# Altium PCB DSP_FPGA.PcbDoc (part 3 of 7)
Units mm, origin at the board's own origin, x right, y up, seen from the top; angles counter-clockwise.
Board outline 243.59 x 170.13 mm, 2 copper layers (Top Layer, Bottom Layer); 649 components, 606 nets, 2327 pads, 2753 vias.
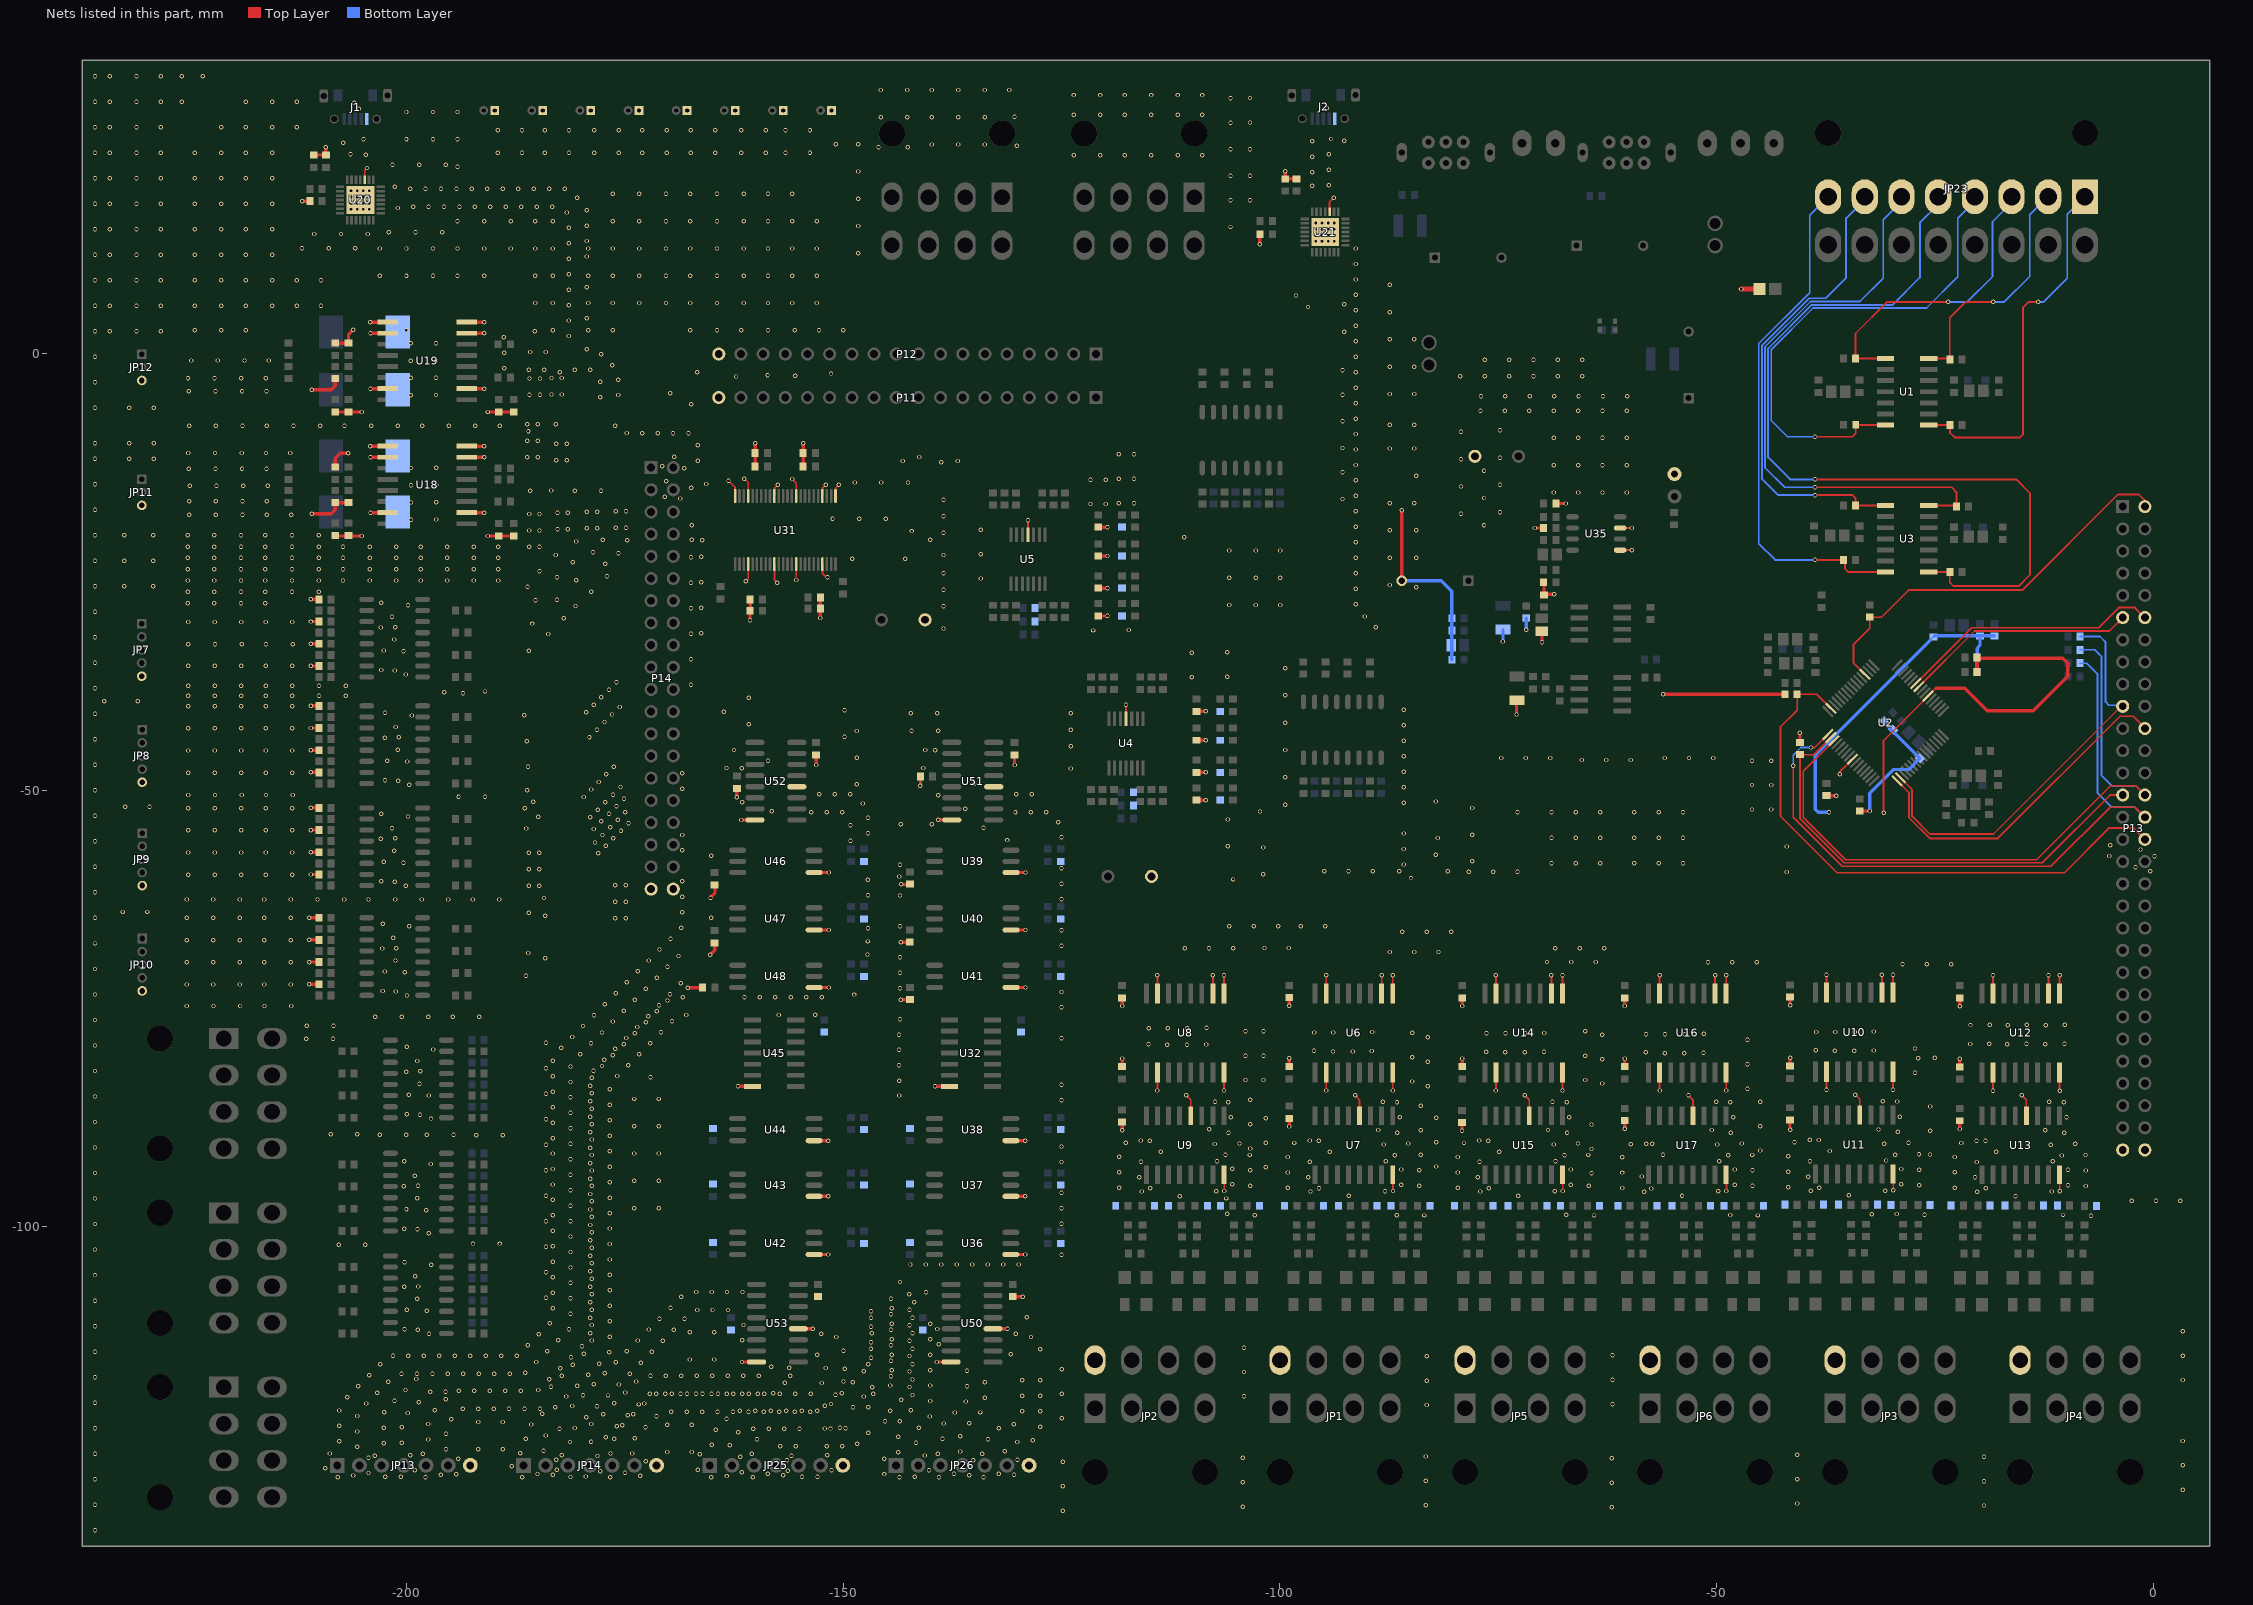
[diagram p3: the nets of this part, all layers, seen from the top]

## Via types
v1: diameter 0.5, hole 0.3, Top Layer to Bottom Layer, tented both sides, 2737 vias
v2: diameter 1.016, hole 0.508, Top Layer to Bottom Layer, tented both sides, 9 vias
v3: diameter 1, hole 0.5, Top Layer to Bottom Layer, tented both sides, 4 vias
v4: diameter 1.2, hole 0.6, Top Layer to Bottom Layer, tented both sides, 2 vias
v5: diameter 1.524, hole 0.762, Top Layer to Bottom Layer, tented both sides, 1 vias

## Nets (pads, with @x,y where several pads share a name; then routed paths per layer and width w, separated by ;. In a path a pad name is that pad's centre, name@x,y a point inside that pad or via, vN(x,y) a via of type N, cw(c..) or ccw(c..) an arc to the next point about the centre after c; other vN are vias at no path point) (continued)
DAC_CLR: P13.30 R5.2 U2.17 | length 80.6
  Top Layer w0.203: v1(-41.227,-47.188) -41.227,-53.099 -35.614,-58.712 -11.722,-58.712 -4.953,-51.943 -2.108,-51.943 P13.30@-0.965,-53.086 ; v1(-39.195,-45.098) -38.756,-45.098 U2.17@-37.271,-43.613
  Bottom Layer w0.203: v1(-41.227,-47.188) -41.227,-45.987 -40.338,-45.098 v1(-39.195,-45.098) ; R5.2@-8.396,-35.446 -7.632,-35.446 -6.375,-36.703 -6.375,-50.343 -4.775,-51.943 -2.108,-51.943 P13.30@-0.965,-53.086
DAC_CS: P13.12 U2.58 | length 30.3
  Top Layer w0.203: U2.58@-27.202,-37.787 -20.797,-31.382 -6.236,-31.382 -3.937,-29.083 -2.108,-29.083 P13.12@-0.965,-30.226
DAC_GPIO: P13.22 U2.33 | length 39.2
  Top Layer w0.203: U2.33@-29.324,-48.916 -27.977,-50.263 -27.977,-53.141 -25.606,-55.512 -17.793,-55.512 -3.81,-41.529 -2.286,-41.529 -0.965,-42.85 P13.22@-0.965,-42.926
DAC_LDAC: P13.27 R10.1 U2.18 | length 53.9
  Top Layer w0.203: U2.18@-36.917,-43.967 -38.876,-45.925 R10.1@-40.465,-45.925 -40.465,-53.226 -35.385,-58.306 -12.713,-58.306 -4.953,-50.546 P13.27@-3.505,-50.546
DAC_OUT_1: JP23.1 R1.2 U1.1 | length 43.2
  Top Layer w0.203: U1.1@-25.73,-8.179 R1.2@-23.306,-8.179 -23.266,-8.218 -23.266,-9.093 -22.758,-9.601 -15.265,-9.601 -14.935,-9.271 -14.935,5.245 -14.262,5.918 v1(-13.157,5.918)
  Bottom Layer w0.203: v1(-13.157,5.918) -12.548,5.918 -9.842,8.623 -9.842,15.949 JP23.1@-7.834,17.957
DAC_OUT_2: JP23.3 R2.2 U1.7 | length 28.4
  Top Layer w0.203: U1.7@-25.73,-0.559 -23.433,-0.559 R2.2@-23.306,-0.686 -23.306,4.088 -21.476,5.918 v1(-18.32,5.918)
  Bottom Layer w0.203: v1(-18.32,5.918) -17.069,5.918 -14.16,8.826 -14.16,15.9 -12.104,17.957 JP23.3@-12.034,17.957
DAC_OUT_3: JP23.5 R3.2 U1.8 | length 34.7
  Top Layer w0.203: U1.8@-30.658,-0.559 R3.2@-34.098,-0.559 -34.098,0.392 -34.098,2.3 -30.48,5.918 v1(-23.482,5.918)
  Bottom Layer w0.203: v1(-23.482,5.918) -21.285,5.918 -18.415,8.788 -18.415,15.088 -16.234,17.268 JP23.5@-16.234,17.957
DAC_OUT_4: JP23.7 R7.2 U1.14 | length 57.8
  Top Layer w0.203: v1(-38.735,-9.525) -34.468,-9.525 -34.073,-9.13 R7.2@-34.073,-8.153 ; R7.2@-33.971,-8.179 U1.14@-30.658,-8.179
  Bottom Layer w0.203: v1(-38.735,-9.525) -41.885,-9.525 -43.752,-7.658 -43.752,0.432 -38.964,5.22 -25.971,5.22 -22.39,8.801 -22.39,15.501 -20.434,17.457 JP23.7@-20.434,17.957
DAC_OUT_5: JP23.9 R13.2 U3.1 | length 97.9
  Top Layer w0.203: v1(-38.735,-14.402) -15.697,-14.402 -14.122,-15.977 -14.122,-25.324 -15.418,-26.619 -22.882,-26.619 -23.306,-26.195 R13.2@-23.306,-25.019 U3.1@-25.73,-25.019
  Bottom Layer w0.203: v1(-38.735,-14.402) -41.593,-14.402 -44.107,-11.887 -44.107,0.579 -39.111,5.575 -29.858,5.575 -26.721,8.712 -26.721,14.986 -24.634,17.073 JP23.9@-24.634,17.957
DAC_OUT_6: JP23.11 R15.2 U3.7 | length 68.8
  Top Layer w0.203: v1(-38.735,-15.316) -23.089,-15.316 -22.544,-15.861 R15.2@-22.544,-17.526 -22.671,-17.399 U3.7@-25.73,-17.399
  Bottom Layer w0.203: v1(-38.735,-15.316) -42.215,-15.316 -44.463,-13.068 -44.463,0.762 -39.256,5.969 -33.591,5.969 -30.912,8.649 -30.912,15.342 -28.834,17.419 JP23.11@-28.834,17.957
DAC_OUT_7: JP23.13 R16.2 U3.8 | length 54.2
  Top Layer w0.203: v1(-38.735,-16.205) -34.434,-16.205 -34.112,-16.527 -34.112,-17.385 R16.2@-34.098,-17.399 U3.8@-30.658,-17.399
  Bottom Layer w0.203: v1(-38.735,-16.205) -42.934,-16.205 -44.818,-14.321 -44.818,0.914 -39.395,6.337 -37.516,6.337 -35.179,8.674 -35.179,15.519 -33.034,17.664 JP23.13@-33.034,17.957
DAC_OUT_8: JP23.15 R17.2 U3.14 | length 59.4
  Top Layer w0.203: v1@-38.786,-23.673 v1(-38.735,-23.622) R17.2@-35.498,-23.622 -35.306,-23.814 -35.306,-24.638 -34.925,-25.019 U3.14@-30.658,-25.019
  Bottom Layer w0.203: v1(-38.735,-23.622) -43.307,-23.622 -45.174,-21.755 -45.174,1.156 -39.343,6.986 -39.343,15.848 JP23.15@-37.234,17.957
DAC_R/W: P13.11 U2.57 | length 26.6
  Top Layer w0.203: U2.57@-26.849,-38.14 -20.471,-31.763 -5.042,-31.763 P13.11@-3.505,-30.226
DAC_RST: P13.28 R8.2 U2.19 | length 77.6
  Top Layer w0.203: U2.19@-36.564,-44.32 -40.084,-47.84 -40.084,-53.099 -35.233,-57.95 -13.373,-57.95 -4.902,-49.479 -2.032,-49.479 P13.28@-0.965,-50.546
  Bottom Layer w0.203: R8.2@-8.396,-33.922 -6.693,-33.922 -5.918,-34.696 -5.918,-36.373 -5.918,-48.336 -4.775,-49.479 -2.032,-49.479 P13.28@-0.965,-50.546
DAC_RSTSEL: P13.19 R11.1 U2.34 | length 48.6
  Top Layer w0.203: U2.34@-28.97,-48.563 -27.621,-49.911 -27.621,-52.989 -25.606,-55.004 -18.301,-55.004 -3.759,-40.462 -3.759,-40.132 P13.19@-3.505,-40.386
  Bottom Layer w0.203: R11.1@-8.396,-32.398 -6.108,-32.398 -5.461,-33.045 -5.461,-35.078 -5.461,-39.878 -5.08,-40.259 -3.632,-40.259 P13.19@-3.505,-40.386
DAC_USB/BTC: P13.32 R12.1 U2.15 | length 66.4
  Top Layer w0.203: U2.15@-36.917,-40.615 -38.531,-39.002 R12.1@-40.781,-39.002 -40.781,-40.842 -42.688,-42.749 -42.688,-52.98 -36.219,-59.449 -10.173,-59.449 -5.037,-54.313 -2.278,-54.313 P13.32@-0.965,-55.626
DAC_Vmon: C21.1 P13.2 U2.4 | length 46.2
  Top Layer w0.203: U2.4@-33.028,-36.726 -34.344,-35.411 -34.344,-33.342 -32.464,-31.462 C21.1@-32.464,-30.177 -31.127,-30.177 -28.026,-27.076 -15.011,-27.076 -4.064,-16.129 -1.651,-16.129 -0.965,-16.815 P13.2@-0.965,-17.526
DGND: C1.2 C3.1 C4.1 C5.1 C6.1 C9.1 C10.2 C14.2 C16.1 C17.1 C18.1 C19.1 C48.2 C50.2 C51.1 C53.1 C55.1 C57.1 C58.2 C60.2 C61.1 C63.1 C65.1 C67.1 C68.1 C69.1 C70.1 C71.1 C72.1 C73.1 C74.1 C75.1 C76.2 C77.1 C78.1 C79.1 C80.1 C81.1 C82.1 C83.1 C84.1 C85.2 C86.1 C87.1 C88.1 C89.1 C90.1 C91.1 C92.1 C93.1 C94.2 C95.1 C96.1 C97.1 C98.1 C99.1 C100.1 C101.1 C102.1 C103.2 C104.1 C105.1 C106.1 C107.1 C108.1 C109.1 C110.1 C111.1 C112.2 C113.1 C114.1 C115.1 C116.1 C117.1 C118.1 C119.1 C120.1 C121.2 C122.1 C123.1 C124.1 C125.1 C126.2 C127.2 C128.1 C129.1 C130.1 C131.1 C132.2 C133.2 C134.2 C135.2 C136.2 C137.2 C141.1 C153.1 C154.1 C155.1 C156.1 C158.1 C159.2 C160.1 C161.1 C162.1 C163.1 C164.1 C165.2 C166.1 C168.1 C169.1 C170.1 C171.1 C172.1 C173.1 C174.1 C175.1 C176.2 C177.1 C178.2 C179.2 C180.1 C181.2 C182.1 C183.2 C184.1 C185.2 C186.1 C187.2 C189.2 C190.2 C191.1 C192.2 C193.2 C196.1 C198.2 C201.1 C203.2 C206.2 C207.1 D1.1 D2.1 D3.1 D4.1 D5.2 J1.5 J2.5 JP1.2 JP2.2 JP3.2 JP4.2 JP5.2 JP6.2 JP7.5 JP8.5 JP9.5 JP10.5 JP11.3 JP12.3 JP13.7 JP14.7 JP15.1 JP16.1 JP17.1 JP18.1 JP19.1 JP20.1 JP21.1 JP22.1 JP25.7 JP26.7 P11.18 P12.18 P13.59 P13.60 P14.39 P14.40 R10.2 R12.2 R14.1 R23.2 R28.2 R32.2 R37.2 R44.2 R49.2 R53.2 R58.2 R155.1 R162.1 R164.1 R166.1 R173.2 R176.2 R179.2 R182.2 R201.2 R204.2 R207.2 R210.2 R229.2 R232.2 R235.2 R238.2 R257.2 R260.2 R263.2 R266.2 R302.2 R305.2 R307.2 R309.2 R311.2 R313.2 R315.2 R317.2 R319.2 R323.2 R325.2 R327.2 R329.2 R330.2 U2.25 U2.54 U4.11 U5.11 U6.2 U6.8 U6.9 U6.10 U6.15 U7.8 U7.12 U8.2 U8.8 U8.9 U8.10 U8.15 U9.8 U9.12 U10.2 U10.8 U10.9 U10.10 U10.15 U11.8 U11.12 U12.2 U12.8 U12.9 U12.10 U12.15 U13.8 U13.12 U14.2 U14.8 U14.9 U14.10 U14.15 U15.8 U15.12 U16.2 U16.8 U16.9 U16.10 U16.15 U17.8 U17.12 U18.2 U18.7 U18.8 U18.9 U18.10 U18.15 U19.2 U19.7 U19.8 U19.9 U19.10 U19.15 U20.3 U20.29 U21.3 U21.29 U31.4 U31.10 U31.15 U31.21 U31.25 U31.28 U31.34 U31.39 U31.45 U31.48 U32.7 U35.1 U35.3 U36.4 U37.4 U38.4 U39.4 U40.4 U41.4 U42.4 U43.4 U44.4 U45.7 U46.4 U47.4 U48.4 U50.8 U50.12 U51.8 U51.12 U52.8 U52.12 U53.8 U53.12 | length 429.6
  Top Layer w0.203: U20.3@-204.808,19.914 -204.808,20.985 v1(-204.546,21.247) ; v1(-163.144,-14.541) -162.41,-15.275 -162.41,-16.287 U31.48@-162.392,-16.306 ; v1(-161.341,-14.313) -160.892,-14.762 U31.45@-160.892,-16.306 ; v1(-161.188,-26.073) -160.892,-25.777 U31.4@-160.892,-24.106 ; C178.2@-160.68,-29.454 C178.2@-160.669,-29.443 ; U31.10@-157.892,-24.106 -157.892,-25.89 v1(-157.556,-26.226) ; U31.39@-157.892,-16.306 -157.873,-16.287 -157.873,-15.392 v1(-157.487,-15.006) v1@-157.455,-14.973 ; v1@-155.689,-14.529 -155.392,-14.826 U31.34@-155.392,-16.306 ; v1(-155.397,-25.921) -155.397,-24.111 U31.15@-155.392,-24.106 ; U31.21@-152.392,-24.106 -152.374,-24.124 -152.374,-25.211 -151.968,-25.616 v1(-151.816,-25.616) ; U31.28@-152.392,-16.306 -152.392,-15.411 v1(-152.006,-15.024) v1@-151.973,-14.992 ; U31.25@-150.892,-16.306 -150.892,-15.411 v1(-150.506,-15.024) v1@-150.473,-14.992 ; U5.11@-128.854,-20.726 v1(-128.854,-19.101) ; v1(-119.747,-30.037) v1@-119.736,-30.048 ; v1(-119.747,-26.862) v1@-119.736,-26.873 ; v1(-119.747,-23.179) v1@-119.736,-23.19 ; v1(-119.747,-19.877) v1@-119.736,-19.888 ; U4.11@-117.627,-41.82 v1(-117.627,-40.194) ; v1(-114.033,-84.379) U8.2@-114.033,-82.309 ; U8.15@-114.033,-73.254 v1(-114.033,-71.183) ; v1(-110.731,-84.925) -110.223,-85.433 U9.12@-110.223,-87.262 ; v1(-108.52,-51.13) v1@-108.509,-51.142 ; v1(-108.52,-47.955) v1@-108.509,-47.967 ; v1(-108.52,-44.272) v1@-108.509,-44.284 ; v1(-108.52,-40.97) v1@-108.509,-40.982 ; U8.10@-107.683,-73.254 v1(-107.683,-71.183) ; v1(-106.413,-84.379) U8.8@-106.413,-82.309 ; U8.9@-106.413,-73.254 v1(-106.413,-71.183) ; v1(-106.388,-95.885) U9.8@-106.388,-93.815 ; R166.1@-102.311,13.629 R166.1@-102.275,13.665 ; v1(-94.704,-84.379) U6.2@-94.704,-82.309 ; U6.15@-94.704,-73.254 v1(-94.704,-71.183) ; U21.3@-94.318,16.243 -94.318,17.391 v1(-93.853,17.856) ; v1(-91.402,-84.925) -90.894,-85.433 U7.12@-90.894,-87.262 ; U6.10@-88.354,-73.254 v1(-88.354,-71.183) ; v1(-87.084,-84.379) U6.8@-87.084,-82.309 ; U6.9@-87.084,-73.254 v1(-87.084,-71.183) ; v1(-87.058,-95.885) U7.8@-87.058,-93.815 ; v1(-75.273,-84.379) U14.2@-75.273,-82.309 ; U14.15@-75.273,-73.254 v1(-75.273,-71.183) ; C158.1@-72.923,-39.73 C158.1@-72.873,-39.679 ; v1(-71.971,-84.925) -71.463,-85.433 U15.12@-71.463,-87.262 ; C153.1@-70.028,-31.789 C153.1@-70.002,-31.815 ; U14.10@-68.923,-73.254 v1(-68.923,-71.183) ; v1(-67.653,-84.379) U14.8@-67.653,-82.309 ; U14.9@-67.653,-73.254 v1(-67.653,-71.183) ; v1(-67.627,-95.885) U15.8@-67.627,-93.815 ; U35.1@-61.054,-22.504 v1(-59.741,-22.504) ; U35.3@-61.054,-19.964 v1(-59.741,-19.964) ; v1(-56.528,-84.379) U16.2@-56.528,-82.309 ; U16.15@-56.528,-73.254 v1(-56.528,-71.183) ; v1(-53.226,-84.925) -52.718,-85.433 U17.12@-52.718,-87.262 ; U16.10@-50.178,-73.254 v1(-50.178,-71.183) ; v1(-48.908,-84.379) U16.8@-48.908,-82.309 ; U16.9@-48.908,-73.254 v1(-48.908,-71.183) ; v1(-48.882,-95.885) U17.8@-48.882,-93.815 ; v1(-37.427,-84.303) U10.2@-37.427,-82.233 ; U10.15@-37.427,-73.177 v1(-37.427,-71.107) ; v1(-35.89,-48.184) -35.89,-47.889 U2.25@-34.443,-46.442 ; v1(-34.125,-84.849) -33.617,-85.357 U11.12@-33.617,-87.185 ; R14.1@-33.607,-52.402 R14.1@-33.58,-52.375 ; U10.10@-31.077,-73.177 v1(-31.077,-71.107) ; v1(-30.886,-52.578) -30.886,-44.3 U2.54@-25.788,-39.201 -24.89,-38.303 ; v1(-29.807,-84.303) U10.8@-29.807,-82.233 ; U10.9@-29.807,-73.177 v1(-29.807,-71.107) ; v1(-29.782,-95.809) U11.8@-29.782,-93.739 ; v1(-18.351,-84.391) U12.2@-18.351,-82.321 ; U12.15@-18.351,-73.266 v1(-18.351,-71.196) ; v1(-15.05,-84.938) -14.541,-85.446 U13.12@-14.541,-87.274 ; U12.10@-12.002,-73.266 v1(-12.002,-71.196) ; v1(-10.731,-84.391) U12.8@-10.731,-82.321 ; U12.9@-10.731,-73.266 v1(-10.731,-71.196) ; v1(-10.706,-95.898) U13.8@-10.706,-93.828
  Top Layer w0.381: v1(-211.963,17.463) R164.1@-211.088,17.463 ; v1(-211.147,-72.212) R257.2@-210.222,-72.212 ; v1(-211.147,-69.672) R260.2@-210.222,-69.672 ; v1(-211.147,-67.132) R263.2@-210.222,-67.132 ; v1(-211.147,-64.592) R266.2@-210.222,-64.592 ; v1(-210.972,-59.639) R229.2@-210.047,-59.639 ; v1(-210.972,-57.099) R232.2@-210.047,-57.099 ; v1(-210.972,-54.559) R235.2@-210.047,-54.559 ; v1(-210.972,-52.019) R238.2@-210.047,-52.019 ; v1(-210.972,-47.955) R201.2@-210.047,-47.955 ; v1(-210.972,-45.415) R204.2@-210.047,-45.415 ; v1(-210.972,-42.875) R207.2@-210.047,-42.875 ; v1(-210.972,-40.335) R210.2@-210.047,-40.335 ; v1(-210.972,-35.763) R173.2@-210.047,-35.763 ; v1(-210.972,-33.223) R176.2@-210.047,-33.223 ; v1(-210.972,-30.683) R179.2@-210.047,-30.683 ; v1(-210.972,-28.143) R182.2@-210.047,-28.143 ; v1(-210.871,-18.339) -208.661,-18.339 -208.178,-17.856 C127.2@-208.178,-17.072 R155.1@-206.654,-17.072 ; v1(-210.871,-4.14) -208.661,-4.14 -208.178,-3.658 C132.2@-208.178,-2.873 ; C135.2@-210.642,22.735 C134.2@-209.245,22.735 ; v1(-209.245,23.609) C134.2@-209.245,22.735 ; C134.2@-209.118,22.735 C134.2@-209.245,22.735 ; C123.1@-208.178,-20.882 v1(-205.13,-20.882) ; C126.2@-208.178,-13.002 -208.178,-11.989 -207.594,-11.405 v1(-206.68,-11.405) ; C129.1@-208.178,-6.683 C131.1@-206.654,-6.683 v1(-205.13,-6.683) ; C133.2@-208.178,1.197 R162.1@-206.654,1.197 -206.654,2.21 v1(-206.121,2.743) ; v1(-204.165,-10.592) U18.9@-202.159,-10.592 ; v1(-204.165,3.607) U19.9@-202.159,3.607 ; v1(-204.14,-18.212) U18.15@-202.159,-18.212 ; v1(-204.14,-11.862) U18.10@-202.159,-11.862 ; v1(-204.14,-4.013) U19.15@-202.159,-4.013 ; v1(-204.14,2.337) U19.10@-202.159,2.337 ; U18.2@-193.116,-18.212 v1(-191.135,-18.212) ; U18.7@-193.116,-11.862 v1(-191.135,-11.862) ; U18.8@-193.116,-10.592 v1(-191.135,-10.592) ; U19.2@-193.116,-4.013 v1(-191.135,-4.013) ; U19.7@-193.116,2.337 v1(-191.135,2.337) ; U19.8@-193.116,3.607 v1(-191.135,3.607) ; v1@-190.729,-20.882 C124.1@-187.731,-20.882 ; v1@-190.729,-6.683 C128.1@-189.459,-6.683 C130.1@-187.731,-6.683 C130.1@-187.477,-6.683 ; v1@-167.78,-72.613 R330.2@-166.078,-72.613 ; v1(-165.24,-68.847) -164.735,-68.342 R327.2@-164.735,-67.489 ; v1(-165.214,-62.319) -165.214,-62.287 -164.697,-61.769 R325.2@-164.697,-60.795 ; v1(-162.217,-50.819) C203.2@-162.217,-49.67 ; v1(-162.058,-83.909) U45.7@-160.401,-83.909 ; v1(-161.703,-53.404) U52.8@-160.045,-53.404 ; v1(-161.601,-115.468) U53.8@-159.944,-115.468 ; v1(-160.68,-30.518) C178.2@-160.68,-29.454 ; C178.2@-160.669,-29.443 C176.2@-160.669,-28.173 ; C193.2@-160.092,-12.916 C187.2@-160.092,-11.392 v1@-160.092,-10.249 ; U53.12@-155.143,-111.658 v1(-153.486,-111.658) ; C185.2@-154.592,-12.916 C183.2@-154.592,-11.392 v1(-154.592,-10.249) ; U42.4@-153.372,-103.162 U42.4@-153.346,-103.162 v1(-151.714,-103.162) ; U43.4@-153.372,-96.495 U43.4@-153.346,-96.495 v1(-151.714,-96.495) ; U44.4@-153.372,-90.119 U44.4@-153.346,-90.119 v1(-151.714,-90.119) ; U48.4@-153.346,-72.581 v1(-151.689,-72.581) ; U47.4@-153.346,-65.997 v1(-151.689,-65.997) ; U46.4@-153.346,-59.413 v1(-151.689,-59.413) ; v1(-153.099,-47.101) C201.1@-153.099,-45.952 ; v1(-152.651,-30.273) C181.2@-152.651,-29.208 ; C181.2@-152.64,-29.197 C179.2@-152.64,-27.927 ; v1(-143.434,-73.99) R315.2@-142.51,-73.99 ; v1(-143.408,-67.386) R313.2@-142.389,-67.386 ; v1(-143.37,-60.782) R311.2@-142.394,-60.782 ; R315.2@-142.519,-74 R315.2@-142.51,-73.99 ; R313.2@-142.519,-67.524 R313.2@-142.395,-67.4 ; R311.2@-142.519,-60.908 R311.2@-142.394,-60.782 ; R315.2@-142.415,-73.99 R315.2@-142.51,-73.99 ; R315.2@-142.383,-73.863 R315.2@-142.51,-73.99 ; R311.2@-142.383,-60.771 R311.2@-142.394,-60.782 ; R311.2@-142.351,-60.782 R311.2@-142.394,-60.782 ; C192.2@-141.187,-48.451 C192.2@-141.187,-48.412 ; v1(-141.172,-49.473) C192.2@-141.172,-48.362 ; v1(-139.503,-83.909) U32.7@-137.846,-83.909 ; v1(-139.312,-115.468) U50.8@-137.655,-115.468 ; v1(-139.122,-53.391) U51.8@-137.465,-53.391 ; U50.12@-132.855,-111.658 v1(-131.197,-111.658) ; U36.4@-130.816,-103.162 v1(-129.159,-103.162) ; U37.4@-130.816,-96.495 v1(-129.159,-96.495) ; U38.4@-130.816,-90.119 v1(-129.159,-90.119) ; U41.4@-130.791,-72.581 v1(-129.134,-72.581) ; U40.4@-130.791,-65.997 v1(-129.134,-65.997) ; U39.4@-130.791,-59.413 v1(-129.134,-59.413) ; C196.1@-130.594,-107.978 v1(-129.445,-107.978) ; v1(-130.391,-47.101) C191.1@-130.391,-45.952 ; C61.1@-120.802,-30.037 v1(-119.747,-30.037) ; C63.1@-120.802,-26.862 v1(-119.747,-26.862) ; C65.1@-120.802,-23.179 v1(-119.747,-23.179) ; C67.1@-120.802,-19.877 v1(-119.747,-19.877) ; v1(-118.072,-88.927) C77.1@-118.072,-87.987 ; C85.2@-118.072,-81.658 v1(-118.072,-80.718) ; v1(-118.072,-74.703) C78.1@-118.072,-73.763 ; C51.1@-109.576,-51.13 v1(-108.52,-51.13) ; C53.1@-109.576,-47.955 v1(-108.52,-47.955) ; C55.1@-109.576,-44.272 v1(-108.52,-44.272) ; C57.1@-109.576,-40.97 v1(-108.52,-40.97) ; v1(-102.311,12.522) R166.1@-102.311,13.629 ; v1(-99.39,20.879) C137.2@-99.39,20.004 C136.2@-98.12,20.004 ; v1(-98.946,-88.499) C76.2@-98.946,-87.559 ; C68.1@-98.946,-81.642 v1(-98.946,-80.702) ; v1(-98.946,-74.687) C69.1@-98.946,-73.747 ; C159.2@-86.055,-26.01 v1(-86.055,-17.932) ; v1(-79.159,-89.003) C112.2@-79.159,-88.063 ; C104.1@-79.134,-81.658 v1(-79.134,-80.718) ; v1(-79.134,-74.703) C105.1@-79.134,-73.763 ; v1(-72.923,-41.326) C158.1@-72.923,-39.73 ; v1(-70.815,-19.964) C164.1@-69.813,-19.964 ; v1(-70.002,-33.071) C153.1@-70.002,-31.815 ; C156.1@-69.815,-27.569 C156.1@-69.778,-27.569 ; C156.1@-69.778,-27.62 C156.1@-69.778,-27.569 ; R302.2@-69.778,-26.389 C156.1@-69.778,-27.569 ; v1(-68.584,-27.569) C156.1@-69.778,-27.569 ; C166.1@-68.413,-17.17 v1(-67.259,-17.17) ; v1(-60.515,-88.77) C121.2@-60.515,-87.83 ; C113.1@-60.515,-81.658 v1(-60.515,-80.718) ; v1(-60.516,-74.703) C114.1@-60.516,-73.763 ; v1(-56.134,-39.002) R12.2@-42.181,-39.002 ; v1(-41.593,-88.868) C94.2@-41.593,-87.929 ; C86.1@-41.593,-81.582 v1(-41.593,-80.642) ; v1(-41.593,-74.627) C87.1@-41.593,-73.687 ; R10.2@-40.465,-44.525 v1(-40.465,-43.432) ; C1.2@-37.417,-50.624 v1(-36.324,-50.624) ; R14.1@-33.58,-52.375 v1(-32.487,-52.375) ; -24.89,-38.303 -21.59,-38.303 -18.999,-40.894 -13.741,-40.894 -9.796,-36.949 -9.796,-35.429 -10.351,-34.874 C14.2@-20.174,-34.874 ; v1(-22.162,-88.782) C95.1@-22.162,-87.842 ; C103.2@-22.162,-81.671 v1(-22.162,-80.731) ; v1(-22.162,-74.716) C96.1@-22.162,-73.776 ; C14.2@-20.399,-34.874 C14.2@-20.174,-34.874 ; C6.1@-20.174,-36.462 C14.2@-20.174,-34.874 ; C14.2@-20.174,-34.811 C14.2@-20.174,-34.874
  Top Layer w0.61: v1(-47.193,7.391) R329.2@-45.096,7.391
  Bottom Layer w0.203: C18.1@-30.797,-42.294 C18.1@-30.797,-42.1 ; C3.1@-25.527,-32.798 -25.527,-32.748 -25.229,-32.45 C3.1@-25.179,-32.45 C3.1@-25.052,-32.323
  Bottom Layer w0.381: v1@-86.081,-17.907 v1(-86.055,-17.932) ; C159.2@-86.055,-26.01 -81.534,-26.01 -80.329,-27.215 C160.1@-80.329,-30.307 C161.1@-80.329,-31.721 C163.1@-80.329,-35.057 ; v1(-74.473,-32.969) C154.1@-74.473,-31.615 ; v1(-71.806,-31.623) C155.1@-71.806,-30.29 ; v1(-37.135,-52.502) -38.379,-52.502 -38.71,-52.172 -38.71,-45.981 C3.1@-25.527,-32.798 ; v1(-32.487,-52.375) -32.487,-50.317 -29.794,-47.625 -28.006,-47.625 C16.1@-26.736,-46.355 C18.1@-30.797,-42.294 ; C3.1@-25.052,-32.323 C4.1@-19.845,-32.323 ; C10.2@-20.174,-36.462 C19.1@-20.174,-34.811 -20.174,-33.712 -19.845,-33.383 C4.1@-19.845,-32.323 ; C5.1@-18.194,-32.323 C4.1@-19.845,-32.323